# KiCad board V1.1_version_control_final.kicad_pcb (continued)
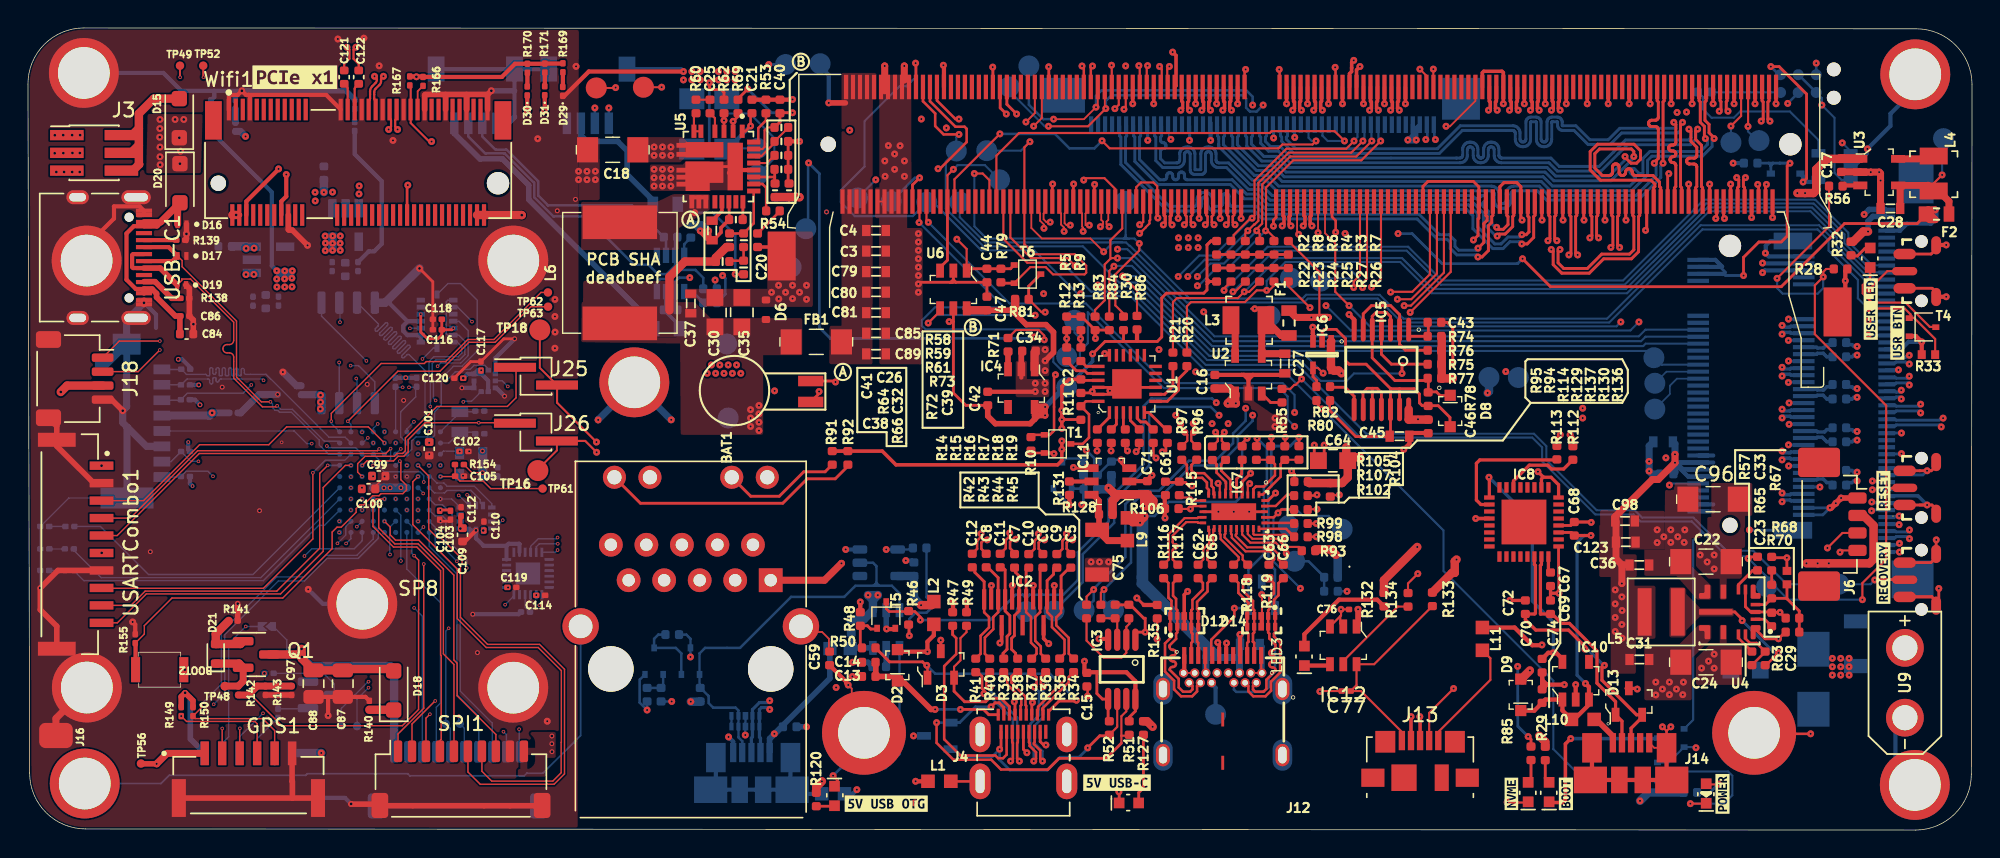
[diagram p0: board, top side]
## Routing (per net, layer and track width the routed paths; a pad name or vN(x,y) marks a point on that pad's centre or on a via; arc(x,y) is an arc through that point) (continued)
PCIE0_RX0_P: length 66
  Top w0.25: v1(91.93,51.52) 92.06,51.65 92.06,52.11 92,52.17 M1.133
  In5_3V3_SYS_SIGNAL.Cu w0.195: v1(125.43,33.12) 125.58,32.97 126.73,32.97 126.98,33.21 126.98,33.84 126.69,34.12 124.7,34.12 124.3,34.53 124.3,35.17 123.32,36.15 123.29,36.18 123.25,36.2 123.2,36.21 123.16,36.21 123.12,36.2 123.08,36.18 123.04,36.15 123.01,36.12 122.98,36.09 122.94,36.07 122.9,36.06 122.85,36.06 122.81,36.07 122.77,36.09 122.74,36.12 122.71,36.15 122.69,36.19 122.68,36.24 122.68,36.28 122.69,36.32 122.71,36.36 122.74,36.4 122.77,36.43 122.8,36.46 122.82,36.5 122.83,36.54 122.83,36.59 122.82,36.63 122.8,36.67 122.77,36.7 119.72,39.75 119.72,43.47 116.47,46.72 110.36,46.72 108.57,48.51 107.22,48.51 107.18,48.51 107.14,48.49 107.1,48.47 107.07,48.44 107.05,48.4 107.03,48.36 107.03,48.32 107.03,47.89 107.02,47.78 106.98,47.68 106.92,47.59 106.85,47.51 106.75,47.45 106.65,47.41 106.54,47.4 106.48,47.4 106.37,47.41 106.27,47.45 106.18,47.51 106.1,47.59 106.04,47.68 106.01,47.78 105.99,47.89 105.99,49.58 105.99,49.62 105.98,49.66 105.95,49.7 105.92,49.73 105.88,49.75 105.84,49.77 105.8,49.77 105.76,49.77 105.71,49.75 105.68,49.73 105.65,49.7 105.62,49.66 105.61,49.62 105.6,49.58 105.6,47.89 105.59,47.78 105.56,47.68 105.5,47.59 105.42,47.51 105.33,47.45 105.23,47.41 105.12,47.4 105.06,47.4 104.95,47.41 104.85,47.45 104.75,47.51 104.68,47.59 104.62,47.68 104.58,47.78 104.57,47.89 104.57,49.58 104.56,49.62 104.55,49.66 104.53,49.7 104.5,49.73 104.46,49.75 104.42,49.77 104.37,49.77 104.33,49.77 104.29,49.75 104.25,49.73 104.22,49.7 104.2,49.66 104.18,49.62 104.18,49.58 104.18,47.89 104.17,47.78 104.13,47.68 104.07,47.59 104,47.51 103.9,47.45 103.8,47.41 103.69,47.4 103.63,47.4 103.52,47.41 103.42,47.45 103.33,47.51 103.25,47.59 103.19,47.68 103.16,47.78 103.14,47.89 103.14,49.58 103.14,49.62 103.13,49.66 103.1,49.7 103.07,49.73 103.03,49.75 102.99,49.77 102.95,49.77 102.91,49.77 102.87,49.75 102.83,49.73 102.8,49.7 102.77,49.66 102.76,49.62 102.75,49.58 102.75,47.89 102.74,47.78 102.71,47.68 102.65,47.59 102.57,47.51 102.48,47.45 102.38,47.41 102.27,47.4 102.21,47.4 102.1,47.41 102,47.45 101.9,47.51 101.83,47.59 101.77,47.68 101.73,47.78 101.72,47.89 101.72,48.32 101.72,48.36 101.7,48.4 101.68,48.44 101.65,48.47 101.61,48.49 101.57,48.51 101.53,48.51 93.66,48.51 92.09,50.09 92.09,51.37 v1(91.93,51.52)
  Bottom w0.25: v1(125.43,33.12) 125.55,33 126,33 126.06,33.06 J7.43
PCIE0_RX1_N: length 66
  Top w0.25: M1.137 91,52.17 90.93,52.11 90.93,51.65 v1(91.06,51.52)
  In5_3V3_SYS_SIGNAL.Cu w0.195: v1(91.06,51.52) 90.91,51.37 90.91,50.7 91.56,50.04 91.56,48.67 93.16,47.07 93.88,47.07 93.99,47.06 94.09,47.02 94.18,46.96 94.26,46.89 94.32,46.8 94.35,46.69 94.37,46.58 94.37,46.39 94.37,46.35 94.39,46.31 94.41,46.27 94.44,46.24 94.48,46.22 94.52,46.2 94.56,46.2 94.6,46.2 94.65,46.22 94.68,46.24 94.71,46.27 94.74,46.31 94.75,46.35 94.76,46.39 94.76,46.91 94.76,47.61 94.77,47.72 94.8,47.82 94.86,47.91 94.94,47.99 95.03,48.05 95.14,48.08 95.24,48.09 95.3,48.09 95.41,48.08 95.52,48.05 95.61,47.99 95.68,47.91 95.74,47.82 95.78,47.72 95.79,47.61 95.79,46.39 95.8,46.35 95.81,46.31 95.83,46.27 95.86,46.24 95.9,46.22 95.94,46.2 95.99,46.2 96.03,46.2 96.07,46.22 96.11,46.24 96.14,46.27 96.16,46.31 96.18,46.35 96.18,46.39 96.18,47.61 96.19,47.72 96.23,47.82 96.29,47.91 96.36,47.99 96.46,48.05 96.56,48.08 96.67,48.09 96.73,48.09 96.84,48.08 96.94,48.05 97.03,47.99 97.11,47.91 97.17,47.82 97.2,47.72 97.22,47.61 97.22,46.39 97.22,46.35 97.24,46.31 97.26,46.27 97.29,46.24 97.33,46.22 97.37,46.2 97.41,46.2 97.45,46.2 97.5,46.22 97.53,46.24 97.56,46.27 97.59,46.31 97.6,46.35 97.61,46.39 97.61,47.61 97.62,47.72 97.65,47.82 97.71,47.91 97.79,47.99 97.88,48.05 97.98,48.08 98.09,48.09 98.15,48.09 98.26,48.08 98.36,48.05 98.46,47.99 98.53,47.91 98.59,47.82 98.63,47.72 98.64,47.61 98.64,47.27 98.65,47.22 98.66,47.18 98.68,47.14 98.71,47.11 98.75,47.09 98.79,47.08 98.84,47.07 108.29,47.07 109.06,46.3 116.1,46.3 118.97,43.42 118.97,39.32 123.19,35.1 123.19,31.98 123.77,31.4 126.73,31.4 127.24,30.89 127.24,30.08 126.8,29.65 125.58,29.65 v1(125.43,29.5)
  Bottom w0.25: v1(125.43,29.5) 125.55,29.62 126,29.62 126.06,29.56 J7.29
PCIE0_RX1_P: length 66
  Top w0.25: v1(90.43,51.52) 90.56,51.65 90.56,52.11 90.5,52.17 90.5,53.18
  In5_3V3_SYS_SIGNAL.Cu w0.195: v1(90.43,51.52) 90.59,51.37 90.59,50.56 91.24,49.9 91.24,48.54 93.03,46.75 93.85,46.75 93.89,46.74 93.93,46.73 93.97,46.71 94,46.68 94.02,46.64 94.04,46.6 94.04,46.55 94.04,46.36 94.06,46.25 94.09,46.15 94.15,46.06 94.23,45.98 94.32,45.92 94.42,45.89 94.53,45.88 94.59,45.88 94.7,45.89 94.8,45.92 94.89,45.98 94.97,46.06 95.03,46.15 95.07,46.25 95.08,46.36 95.08,46.91 95.08,47.58 95.08,47.62 95.1,47.66 95.12,47.7 95.15,47.73 95.19,47.75 95.23,47.77 95.27,47.77 95.32,47.77 95.36,47.75 95.4,47.73 95.43,47.7 95.45,47.66 95.46,47.62 95.47,47.58 95.47,46.36 95.48,46.25 95.52,46.15 95.57,46.06 95.65,45.98 95.74,45.92 95.85,45.89 95.96,45.88 96.02,45.88 96.12,45.89 96.23,45.92 96.32,45.98 96.4,46.06 96.46,46.15 96.49,46.25 96.5,46.36 96.5,47.58 96.51,47.62 96.52,47.66 96.55,47.7 96.58,47.73 96.61,47.75 96.66,47.77 96.7,47.77 96.74,47.77 96.78,47.75 96.82,47.73 96.85,47.7 96.87,47.66 96.89,47.62 96.89,47.58 96.89,46.36 96.91,46.25 96.94,46.15 97,46.06 97.08,45.98 97.17,45.92 97.27,45.89 97.38,45.88 97.44,45.88 97.55,45.89 97.65,45.92 97.74,45.98 97.82,46.06 97.88,46.15 97.92,46.25 97.93,46.36 97.93,47.58 97.93,47.62 97.95,47.66 97.97,47.7 98,47.73 98.04,47.75 98.08,47.77 98.12,47.77 98.17,47.77 98.21,47.75 98.24,47.73 98.28,47.7 98.3,47.66 98.31,47.62 98.32,47.58 98.32,47.24 98.33,47.13 98.37,47.02 98.42,46.93 98.5,46.86 98.59,46.8 98.7,46.76 98.81,46.75 108.16,46.75 108.93,45.98 115.97,45.98 118.65,43.29 118.65,39.19 122.87,34.97 122.87,31.84 123.63,31.08 124.22,31.08 124.27,31.08 124.32,31.06 124.36,31.03 124.4,31 124.42,30.95 124.44,30.91 124.45,30.86 124.45,30.84 124.45,30.79 124.47,30.74 124.5,30.7 124.53,30.66 124.57,30.63 124.62,30.62 124.67,30.61 124.72,30.62 124.77,30.63 124.81,30.66 124.85,30.7 124.87,30.74 124.89,30.79 124.9,30.84 124.9,30.86 124.9,30.91 124.92,30.95 124.95,31 124.98,31.03 125.02,31.06 125.07,31.08 125.12,31.08 126.6,31.08 126.92,30.76 126.92,30.25 126.63,29.97 125.58,29.97 v1(125.43,30.12)
  Bottom w0.25: v1(125.43,30.12) 125.55,30 126,30 126.06,30.06 J7.31
PCIE0_RX2_N: length 66
  Top w0.25: M1.149 86,52.17 85.93,52.11 85.93,51.65 v1(86.06,51.52)
  In5_3V3_SYS_SIGNAL.Cu w0.185: 121.77,31.09 124.4,28.46 ; 91.6,45.45 99.13,45.45 99.17,45.46 99.21,45.47 99.25,45.49 99.28,45.52 99.3,45.56 99.31,45.6 99.32,45.64 99.32,45.85 99.33,45.96 99.37,46.06 99.42,46.15 99.5,46.23 99.59,46.29 99.69,46.32 99.8,46.33 99.86,46.33 99.97,46.32 100.07,46.29 100.16,46.23 100.23,46.15 100.29,46.06 100.33,45.96 100.34,45.85 100.34,45.64 100.34,45.6 100.36,45.56 100.38,45.52 100.41,45.49 100.45,45.47 100.49,45.46 100.53,45.45 100.57,45.46 100.61,45.47 100.65,45.49 100.68,45.52 100.7,45.56 100.71,45.6 100.72,45.64 100.72,45.85 100.73,45.96 100.77,46.06 100.82,46.15 100.9,46.23 100.99,46.29 101.09,46.32 101.2,46.33 101.26,46.33 101.37,46.32 101.47,46.29 101.56,46.23 101.63,46.15 101.69,46.06 101.73,45.96 101.74,45.85 101.74,45.64 101.74,45.6 101.76,45.56 101.78,45.52 101.81,45.49 101.85,45.47 101.89,45.46 101.93,45.45 101.97,45.46 102.01,45.47 102.05,45.49 102.08,45.52 102.1,45.56 102.11,45.6 102.12,45.64 102.12,45.85 102.13,45.96 102.17,46.06 102.22,46.15 102.3,46.23 102.39,46.29 102.49,46.32 102.6,46.33 102.66,46.33 102.77,46.32 102.87,46.29 102.96,46.23 103.03,46.15 103.09,46.06 103.13,45.96 103.14,45.85 103.14,45.64 103.14,45.6 103.16,45.56 103.18,45.52 103.21,45.49 103.25,45.47 103.29,45.46 103.33,45.45 115.73,45.45
  In5_3V3_SYS_SIGNAL.Cu w0.195: v1(125.43,26.5) 125.58,26.65 126.76,26.65 127.12,27.01 127.12,28.13 126.79,28.46 124.4,28.46 ; 91.6,45.45 85.91,51.14 85.91,51.37 v1(86.06,51.52) ; 115.73,45.45 117.87,43.3 117.87,38.94 121.77,35.05 121.77,31.09
  Bottom w0.25: v1(125.43,26.5) 125.55,26.62 126,26.62 126.06,26.56 J7.17
PCIE0_RX2_P: length 66
  Top w0.25: v1(85.43,51.52) 85.56,51.65 85.56,52.11 85.5,52.17 M1.151
  In5_3V3_SYS_SIGNAL.Cu w0.185: 121.45,30.96 122.38,30.03 122.4,30 122.42,29.96 122.43,29.92 122.43,29.88 122.42,29.84 122.4,29.8 122.38,29.77 122.34,29.72 122.31,29.69 122.29,29.65 122.28,29.61 122.28,29.57 122.29,29.53 122.31,29.49 122.34,29.46 122.37,29.44 122.4,29.42 122.45,29.41 122.49,29.41 122.53,29.42 122.56,29.44 122.6,29.46 122.64,29.51 122.67,29.53 122.71,29.55 122.75,29.56 122.79,29.56 122.83,29.55 122.87,29.53 122.9,29.51 124.27,28.14 ; 115.59,45.13 103.3,45.13 103.19,45.14 103.09,45.18 103,45.24 102.92,45.31 102.87,45.4 102.83,45.5 102.82,45.61 102.82,45.82 102.81,45.87 102.8,45.91 102.78,45.94 102.75,45.97 102.71,45.99 102.67,46.01 102.63,46.01 102.59,46.01 102.55,45.99 102.51,45.97 102.48,45.94 102.46,45.91 102.44,45.87 102.44,45.82 102.44,45.61 102.43,45.5 102.39,45.4 102.33,45.31 102.26,45.24 102.17,45.18 102.07,45.14 101.96,45.13 101.9,45.13 101.79,45.14 101.69,45.18 101.6,45.24 101.52,45.31 101.47,45.4 101.43,45.5 101.42,45.61 101.42,45.82 101.41,45.87 101.4,45.91 101.38,45.94 101.35,45.97 101.31,45.99 101.27,46.01 101.23,46.01 101.19,46.01 101.15,45.99 101.11,45.97 101.08,45.94 101.06,45.91 101.04,45.87 101.04,45.82 101.04,45.61 101.03,45.5 100.99,45.4 100.93,45.31 100.86,45.24 100.77,45.18 100.67,45.14 100.56,45.13 100.5,45.13 100.39,45.14 100.29,45.18 100.2,45.24 100.12,45.31 100.07,45.4 100.03,45.5 100.02,45.61 100.02,45.82 100.01,45.87 100,45.91 99.98,45.94 99.95,45.97 99.91,45.99 99.87,46.01 99.83,46.01 99.79,46.01 99.75,45.99 99.71,45.97 99.68,45.94 99.66,45.91 99.64,45.87 99.64,45.82 99.64,45.61 99.63,45.5 99.59,45.4 99.53,45.31 99.46,45.24 99.37,45.18 99.27,45.14 99.16,45.13 91.47,45.13
  In5_3V3_SYS_SIGNAL.Cu w0.195: 115.59,45.13 117.55,43.17 117.55,38.81 121.45,34.91 121.45,30.96 ; 124.27,28.14 126.64,28.14 126.8,27.98 126.8,27.14 126.63,26.97 125.58,26.97 v1(125.43,27.12) ; 91.47,45.13 85.59,51.01 85.59,51.37 v1(85.43,51.52)
  Bottom w0.25: v1(125.43,27.12) 125.55,27 126,27 126.06,27.06 J7.19
PCIE0_RX3_N: length 66.1
  Top w0.25: M1.155 84.5,52.17 84.43,52.11 84.43,51.65 v1(84.56,51.52)
  In5_3V3_SYS_SIGNAL.Cu w0.195: v1(125.43,23.5) 125.58,23.65 126.13,23.65 126.59,24.11 126.59,24.87 126.21,25.25 124.79,25.25 120.28,29.76 120.28,34.87 116.52,38.63 116.52,43.51 115.56,44.47 114.56,44.47 95.3,44.47 95.2,44.46 95.11,44.43 95.02,44.37 94.95,44.3 94.89,44.22 94.86,44.12 94.85,44.02 94.85,43.83 94.85,43.79 94.83,43.76 94.81,43.73 94.79,43.7 94.76,43.68 94.72,43.67 94.69,43.67 94.62,43.67 94.59,43.67 94.55,43.68 94.52,43.7 94.49,43.73 94.48,43.76 94.46,43.79 94.46,43.83 94.46,44.02 94.45,44.12 94.41,44.22 94.36,44.3 94.29,44.37 94.2,44.43 94.11,44.46 94,44.47 90.96,44.47 84.41,51.03 84.41,51.37 v1(84.56,51.52)
  Bottom w0.25: v1(125.43,23.5) 125.55,23.62 126,23.62 126.06,23.56 J7.5
PCIE0_RX3_P: length 66.1
  Top w0.25: v1(83.93,51.52) 84.06,51.65 84.06,52.11 84,52.17 M1.157
  In5_3V3_SYS_SIGNAL.Cu w0.195: v1(83.93,51.52) 84.09,51.37 84.09,50.9 90.83,44.15 93.98,44.15 94.01,44.15 94.05,44.14 94.08,44.12 94.1,44.09 94.12,44.06 94.14,44.03 94.14,43.99 94.14,43.8 94.15,43.7 94.18,43.61 94.24,43.52 94.31,43.45 94.4,43.39 94.49,43.36 94.59,43.35 94.71,43.35 94.82,43.36 94.91,43.39 95,43.45 95.07,43.52 95.12,43.61 95.16,43.7 95.17,43.8 95.17,43.99 95.17,44.03 95.19,44.06 95.2,44.09 95.23,44.12 95.26,44.14 95.3,44.15 95.33,44.15 115.43,44.15 116.2,43.38 116.2,38.49 119.96,34.73 119.96,29.63 122.17,27.42 122.2,27.39 122.22,27.35 122.23,27.31 122.23,27.26 122.22,27.22 122.2,27.18 122.17,27.15 122.14,27.12 122.11,27.08 122.09,27.04 122.09,27 122.09,26.96 122.09,26.91 122.11,26.87 122.14,26.84 122.18,26.81 122.21,26.79 122.26,26.78 122.3,26.78 122.34,26.79 122.38,26.81 122.42,26.84 122.45,26.87 122.48,26.9 122.52,26.92 122.56,26.93 122.61,26.93 122.65,26.92 122.69,26.9 122.72,26.87 124.66,24.93 126.08,24.93 126.27,24.74 126.27,24.24 126,23.97 125.58,23.97 v1(125.43,24.12)
  Bottom w0.25: v1(125.43,24.12) 125.55,24 126,24 126.06,24.06 J7.7
PCIE0_TX0_N: length 65.6
  Top w0.25: M1.134 91.75,43.97 91.68,43.9 91.68,43.37 v1(91.81,43.24)
  In3_SIGNAL.Cu w0.185: v1(130.79,33.99) 130.83,33.99 131.26,34.43 131.26,34.83 130.48,35.61 127.5,35.61 126.44,34.55 122.58,34.55 119.24,37.88 117.88,37.88 117.85,37.89 117.83,37.89 117.8,37.91 117.79,37.93 117.77,37.95 117.76,37.98 117.76,38 117.76,38.18 117.75,38.27 117.72,38.36 117.67,38.44 117.61,38.5 117.53,38.55 117.44,38.58 117.35,38.59 117.17,38.59 117.08,38.58 117,38.55 116.92,38.5 116.86,38.44 116.81,38.36 116.78,38.27 116.77,38.18 116.77,37.3 116.77,37.27 116.76,37.25 116.74,37.22 116.72,37.2 116.7,37.19 116.68,37.18 116.65,37.18 116.52,37.18 116.49,37.18 116.47,37.19 116.44,37.2 116.43,37.22 116.41,37.25 116.4,37.27 116.4,37.3 116.4,38.18 116.39,38.27 116.36,38.36 116.31,38.44 116.25,38.5 116.17,38.55 116.08,38.58 115.99,38.59 115.81,38.59 115.72,38.58 115.64,38.55 115.56,38.5 115.5,38.44 115.45,38.36 115.42,38.27 115.41,38.18 115.41,37.3 115.41,37.27 115.4,37.25 115.38,37.22 115.36,37.2 115.34,37.19 115.32,37.18 115.29,37.18 115.16,37.18 115.13,37.18 115.11,37.19 115.08,37.2 115.07,37.22 115.05,37.25 115.04,37.27 115.04,37.3 115.04,38.18 115.03,38.27 115,38.36 114.95,38.44 114.89,38.5 114.81,38.55 114.72,38.58 114.63,38.59 114.45,38.59 114.36,38.58 114.28,38.55 114.2,38.5 114.14,38.44 114.09,38.36 114.06,38.27 114.05,38.18 114.05,37.3 114.05,37.27 114.04,37.25 114.02,37.22 114,37.2 113.98,37.19 113.96,37.18 113.93,37.18 113.8,37.18 113.77,37.18 113.75,37.19 113.72,37.2 113.71,37.22 113.69,37.25 113.68,37.27 113.68,37.3 113.68,38.18 113.67,38.27 113.64,38.36 113.59,38.44 113.53,38.5 113.45,38.55 113.36,38.58 113.27,38.59 113.09,38.59 113,38.58 112.92,38.55 112.84,38.5 112.78,38.44 112.73,38.36 112.7,38.27 112.69,38.18 112.69,37.3 112.69,37.27 112.68,37.25 112.66,37.22 112.64,37.2 112.62,37.19 112.6,37.18 112.57,37.18 112.44,37.18 112.41,37.18 112.39,37.19 112.36,37.2 112.35,37.22 112.33,37.25 112.32,37.27 112.32,37.3 112.32,38.18 112.31,38.27 112.28,38.36 112.23,38.44 112.17,38.5 112.09,38.55 112,38.58 111.91,38.59 111.73,38.59 111.64,38.58 111.56,38.55 111.48,38.5 111.42,38.44 111.37,38.36 111.34,38.27 111.33,38.18 111.33,37.3 111.33,37.27 111.32,37.25 111.3,37.22 111.28,37.2 111.26,37.19 111.24,37.18 111.21,37.18 111.08,37.18 111.05,37.18 111.03,37.19 111,37.2 110.99,37.22 110.97,37.25 110.96,37.27 110.96,37.3 110.96,38.18 110.95,38.27 110.92,38.36 110.87,38.44 110.81,38.5 110.73,38.55 110.64,38.58 110.55,38.59 110.37,38.59 110.28,38.58 110.2,38.55 110.12,38.5 110.06,38.44 110.01,38.36 109.98,38.27 109.97,38.18 109.97,37.3 109.97,37.27 109.96,37.25 109.94,37.22 109.92,37.2 109.9,37.19 109.88,37.18 109.85,37.18 109.72,37.18 109.69,37.18 109.67,37.19 109.64,37.2 109.63,37.22 109.61,37.25 109.6,37.27 109.6,37.3 109.6,38.18 109.59,38.27 109.56,38.36 109.51,38.44 109.45,38.5 109.37,38.55 109.28,38.58 109.19,38.59 109.01,38.59 108.92,38.58 108.84,38.55 108.76,38.5 108.7,38.44 108.65,38.36 108.62,38.27 108.61,38.18 108.61,37.3 108.61,37.27 108.6,37.25 108.58,37.22 108.56,37.2 108.54,37.19 108.52,37.18 108.49,37.18 108.36,37.18 108.33,37.18 108.31,37.19 108.28,37.2 108.27,37.22 108.25,37.25 108.24,37.27 108.24,37.3 108.24,38.18 108.23,38.27 108.2,38.36 108.15,38.44 108.09,38.5 108.01,38.55 107.92,38.58 107.83,38.59 107.65,38.59 107.56,38.58 107.48,38.55 107.4,38.5 107.34,38.44 107.29,38.36 107.26,38.27 107.25,38.18 107.25,38 107.25,37.98 107.24,37.95 107.22,37.93 107.2,37.91 107.18,37.89 107.16,37.89 107.13,37.88 103.19,37.88 98.89,42.18 92.16,42.18 91.65,42.69 91.65,43.09 v1(91.81,43.24)
  Bottom w0.25: 130.01,33.87 130.43,33.87 130.55,33.99 v1(130.79,33.99)
PCIE0_TX0_P: length 65.6
  Top w0.25: v1(91.18,43.24) 91.31,43.37 91.31,43.9 91.25,43.97 M1.136
  In3_SIGNAL.Cu w0.185: v1(130.79,34.62) 130.79,34.86 130.35,35.3 129.88,35.3 129.84,35.3 129.8,35.28 129.77,35.26 129.74,35.23 129.72,35.2 129.7,35.16 129.7,35.12 129.7,34.87 129.69,34.83 129.68,34.79 129.66,34.76 129.63,34.73 129.59,34.7 129.55,34.69 129.51,34.69 129.47,34.69 129.43,34.7 129.4,34.73 129.37,34.76 129.35,34.79 129.33,34.83 129.33,34.87 129.33,35.12 129.32,35.16 129.31,35.2 129.29,35.23 129.26,35.26 129.22,35.28 129.18,35.3 129.14,35.3 127.64,35.3 126.57,34.24 122.39,34.24 119.06,37.57 117.85,37.57 117.76,37.58 117.68,37.61 117.6,37.66 117.54,37.73 117.49,37.8 117.46,37.89 117.45,37.98 117.45,38.16 117.45,38.18 117.44,38.21 117.42,38.23 117.4,38.25 117.38,38.27 117.36,38.28 117.33,38.28 117.2,38.28 117.17,38.28 117.15,38.27 117.12,38.25 117.11,38.23 117.09,38.21 117.08,38.18 117.08,38.16 117.08,37.27 117.07,37.18 117.04,37.1 116.99,37.02 116.93,36.96 116.85,36.91 116.76,36.88 116.67,36.87 116.49,36.87 116.4,36.88 116.32,36.91 116.24,36.96 116.18,37.02 116.13,37.1 116.1,37.18 116.09,37.27 116.09,38.16 116.09,38.18 116.08,38.21 116.06,38.23 116.04,38.25 116.02,38.27 116,38.28 115.97,38.28 115.84,38.28 115.81,38.28 115.79,38.27 115.76,38.25 115.75,38.23 115.73,38.21 115.72,38.18 115.72,38.16 115.72,37.27 115.71,37.18 115.68,37.1 115.63,37.02 115.57,36.96 115.49,36.91 115.4,36.88 115.31,36.87 115.13,36.87 115.04,36.88 114.96,36.91 114.88,36.96 114.82,37.02 114.77,37.1 114.74,37.18 114.73,37.27 114.73,38.16 114.73,38.18 114.72,38.21 114.7,38.23 114.68,38.25 114.66,38.27 114.64,38.28 114.61,38.28 114.48,38.28 114.45,38.28 114.43,38.27 114.4,38.25 114.39,38.23 114.37,38.21 114.36,38.18 114.36,38.16 114.36,37.27 114.35,37.18 114.32,37.1 114.27,37.02 114.21,36.96 114.13,36.91 114.04,36.88 113.95,36.87 113.77,36.87 113.68,36.88 113.6,36.91 113.52,36.96 113.46,37.02 113.41,37.1 113.38,37.18 113.37,37.27 113.37,38.16 113.37,38.18 113.36,38.21 113.34,38.23 113.32,38.25 113.3,38.27 113.28,38.28 113.25,38.28 113.12,38.28 113.09,38.28 113.07,38.27 113.04,38.25 113.03,38.23 113.01,38.21 113,38.18 113,38.16 113,37.27 112.99,37.18 112.96,37.1 112.91,37.02 112.85,36.96 112.77,36.91 112.68,36.88 112.59,36.87 112.41,36.87 112.32,36.88 112.24,36.91 112.16,36.96 112.1,37.02 112.05,37.1 112.02,37.18 112.01,37.27 112.01,38.16 112.01,38.18 112,38.21 111.98,38.23 111.96,38.25 111.94,38.27 111.92,38.28 111.89,38.28 111.76,38.28 111.73,38.28 111.71,38.27 111.68,38.25 111.67,38.23 111.65,38.21 111.64,38.18 111.64,38.16 111.64,37.27 111.63,37.18 111.6,37.1 111.55,37.02 111.49,36.96 111.41,36.91 111.32,36.88 111.23,36.87 111.05,36.87 110.96,36.88 110.88,36.91 110.8,36.96 110.74,37.02 110.69,37.1 110.66,37.18 110.65,37.27 110.65,38.16 110.65,38.18 110.64,38.21 110.62,38.23 110.6,38.25 110.58,38.27 110.56,38.28 110.53,38.28 110.4,38.28 110.37,38.28 110.35,38.27 110.32,38.25 110.31,38.23 110.29,38.21 110.28,38.18 110.28,38.16 110.28,37.27 110.27,37.18 110.24,37.1 110.19,37.02 110.13,36.96 110.05,36.91 109.96,36.88 109.87,36.87 109.69,36.87 109.6,36.88 109.52,36.91 109.44,36.96 109.38,37.02 109.33,37.1 109.3,37.18 109.29,37.27 109.29,38.16 109.29,38.18 109.28,38.21 109.26,38.23 109.24,38.25 109.22,38.27 109.2,38.28 109.17,38.28 109.04,38.28 109.01,38.28 108.99,38.27 108.96,38.25 108.95,38.23 108.93,38.21 108.92,38.18 108.92,38.16 108.92,37.27 108.91,37.18 108.88,37.1 108.83,37.02 108.77,36.96 108.69,36.91 108.6,36.88 108.51,36.87 108.33,36.87 108.24,36.88 108.16,36.91 108.08,36.96 108.02,37.02 107.97,37.1 107.94,37.18 107.93,37.27 107.93,38.16 107.93,38.18 107.92,38.21 107.9,38.23 107.88,38.25 107.86,38.27 107.84,38.28 107.81,38.28 107.68,38.28 107.65,38.28 107.63,38.27 107.6,38.25 107.59,38.23 107.57,38.21 107.56,38.18 107.56,38.16 107.56,37.98 107.55,37.89 107.52,37.8 107.47,37.73 107.41,37.66 107.33,37.61 107.24,37.58 107.15,37.57 103.06,37.57 98.76,41.87 92.03,41.87 91.34,42.56 91.34,43.09 v1(91.18,43.24)
  Bottom w0.25: v1(130.79,34.62) 130.55,34.62 130.43,34.74 130.01,34.74
PCIE0_TX1_N: length 66.2
  Top w0.25: M1.140 90.25,43.97 90.18,43.9 90.18,43.37 v1(90.31,43.24)
  In3_SIGNAL.Cu w0.185: v1(90.31,43.24) 90.15,43.09 90.15,42.67 91.47,41.34 98.44,41.34 104.59,35.2 109.07,35.2 109.16,35.18 109.25,35.15 109.32,35.1 109.39,35.04 109.44,34.96 109.47,34.87 109.48,34.78 109.48,34.6 109.48,34.57 109.49,34.54 109.51,34.52 109.53,34.5 109.55,34.48 109.58,34.47 109.61,34.47 109.72,34.47 109.75,34.47 109.78,34.48 109.8,34.5 109.82,34.52 109.84,34.54 109.85,34.57 109.85,34.6 109.85,35.51 109.86,35.6 109.89,35.68 109.94,35.76 110.01,35.83 110.08,35.88 110.17,35.91 110.26,35.92 110.43,35.92 110.52,35.91 110.61,35.88 110.68,35.83 110.75,35.76 110.8,35.68 110.83,35.6 110.84,35.51 110.84,34.6 110.84,34.57 110.85,34.54 110.87,34.52 110.89,34.5 110.91,34.48 110.94,34.47 110.97,34.47 111.08,34.47 111.11,34.47 111.14,34.48 111.16,34.5 111.18,34.52 111.2,34.54 111.21,34.57 111.21,34.6 111.21,35.51 111.22,35.6 111.25,35.68 111.3,35.76 111.37,35.83 111.44,35.88 111.53,35.91 111.62,35.92 111.79,35.92 111.88,35.91 111.97,35.88 112.04,35.83 112.11,35.76 112.16,35.68 112.19,35.6 112.2,35.51 112.2,34.6 112.2,34.57 112.21,34.54 112.23,34.52 112.25,34.5 112.27,34.48 112.3,34.47 112.33,34.47 112.44,34.47 112.47,34.47 112.5,34.48 112.52,34.5 112.54,34.52 112.56,34.54 112.57,34.57 112.57,34.6 112.57,35.51 112.58,35.6 112.61,35.68 112.66,35.76 112.73,35.83 112.8,35.88 112.89,35.91 112.98,35.92 113.15,35.92 113.24,35.91 113.33,35.88 113.4,35.83 113.47,35.76 113.52,35.68 113.55,35.6 113.56,35.51 113.56,34.6 113.56,34.57 113.57,34.54 113.59,34.52 113.61,34.5 113.63,34.48 113.66,34.47 113.69,34.47 113.8,34.47 113.83,34.47 113.86,34.48 113.88,34.5 113.9,34.52 113.92,34.54 113.93,34.57 113.93,34.6 113.93,35.51 113.94,35.6 113.97,35.68 114.02,35.76 114.09,35.83 114.16,35.88 114.25,35.91 114.34,35.92 114.51,35.92 114.6,35.91 114.69,35.88 114.76,35.83 114.83,35.76 114.88,35.68 114.91,35.6 114.92,35.51 114.92,34.6 114.92,34.57 114.93,34.54 114.95,34.52 114.97,34.5 114.99,34.48 115.02,34.47 115.05,34.47 115.16,34.47 115.19,34.47 115.22,34.48 115.24,34.5 115.26,34.52 115.28,34.54 115.29,34.57 115.29,34.6 115.29,35.51 115.3,35.6 115.33,35.68 115.38,35.76 115.45,35.83 115.52,35.88 115.61,35.91 115.7,35.92 115.87,35.92 115.96,35.91 116.05,35.88 116.12,35.83 116.19,35.76 116.24,35.68 116.27,35.6 116.28,35.51 116.28,34.6 116.28,34.57 116.29,34.54 116.31,34.52 116.33,34.5 116.35,34.48 116.38,34.47 116.41,34.47 116.52,34.47 116.55,34.47 116.58,34.48 116.6,34.5 116.62,34.52 116.64,34.54 116.65,34.57 116.65,34.6 116.67,35.51 116.68,35.6 116.71,35.68 116.76,35.76 116.82,35.83 116.9,35.88 116.99,35.91 117.08,35.92 117.24,35.92 117.33,35.91 117.42,35.88 117.5,35.83 117.57,35.76 117.61,35.68 117.65,35.6 117.66,35.51 117.66,35.32 117.66,35.3 117.67,35.27 117.68,35.24 117.7,35.22 117.73,35.21 117.76,35.2 117.79,35.2 119.63,35.2 123.38,31.45 126.49,31.45 127.64,32.61 131.14,32.61 131.67,32.08 131.67,31.48 131.33,31.13 130.95,31.13 v1(130.79,30.97)
  Bottom w0.25: 130.01,30.85 130.43,30.85 130.55,30.97 v1(130.79,30.97)
PCIE0_TX1_P: length 66.2
  Top w0.25: v1(89.68,43.24) 89.81,43.37 89.81,43.9 89.75,43.97 M1.142
  In3_SIGNAL.Cu w0.185: v1(89.68,43.24) 89.84,43.09 89.84,42.54 91.34,41.03 98.31,41.03 104.46,34.89 109.04,34.89 109.07,34.88 109.1,34.87 109.12,34.86 109.14,34.84 109.16,34.81 109.17,34.78 109.17,34.76 109.17,34.58 109.18,34.48 109.21,34.4 109.26,34.32 109.33,34.25 109.4,34.2 109.49,34.17 109.58,34.16 109.75,34.16 109.84,34.17 109.93,34.2 110,34.25 110.07,34.32 110.12,34.4 110.15,34.48 110.16,34.58 110.16,35.48 110.16,35.51 110.17,35.54 110.19,35.56 110.21,35.58 110.23,35.6 110.26,35.61 110.29,35.61 110.4,35.61 110.43,35.61 110.46,35.6 110.48,35.58 110.5,35.56 110.52,35.54 110.53,35.51 110.53,35.48 110.53,34.58 110.54,34.48 110.57,34.4 110.62,34.32 110.69,34.25 110.76,34.2 110.85,34.17 110.94,34.16 111.11,34.16 111.2,34.17 111.29,34.2 111.36,34.25 111.43,34.32 111.48,34.4 111.51,34.48 111.52,34.58 111.52,35.48 111.52,35.51 111.53,35.54 111.55,35.56 111.57,35.58 111.59,35.6 111.62,35.61 111.65,35.61 111.76,35.61 111.79,35.61 111.82,35.6 111.84,35.58 111.86,35.56 111.88,35.54 111.89,35.51 111.89,35.48 111.89,34.58 111.9,34.48 111.93,34.4 111.98,34.32 112.05,34.25 112.12,34.2 112.21,34.17 112.3,34.16 112.47,34.16 112.56,34.17 112.65,34.2 112.72,34.25 112.79,34.32 112.84,34.4 112.87,34.48 112.88,34.58 112.88,35.48 112.88,35.51 112.89,35.54 112.91,35.56 112.93,35.58 112.95,35.6 112.98,35.61 113.01,35.61 113.12,35.61 113.15,35.61 113.18,35.6 113.2,35.58 113.22,35.56 113.24,35.54 113.25,35.51 113.25,35.48 113.25,34.58 113.26,34.48 113.29,34.4 113.34,34.32 113.41,34.25 113.48,34.2 113.57,34.17 113.66,34.16 113.83,34.16 113.92,34.17 114.01,34.2 114.08,34.25 114.15,34.32 114.2,34.4 114.23,34.48 114.24,34.58 114.24,35.48 114.24,35.51 114.25,35.54 114.27,35.56 114.29,35.58 114.31,35.6 114.34,35.61 114.37,35.61 114.48,35.61 114.51,35.61 114.54,35.6 114.56,35.58 114.58,35.56 114.6,35.54 114.61,35.51 114.61,35.48 114.61,34.58 114.62,34.48 114.65,34.4 114.7,34.32 114.77,34.25 114.84,34.2 114.93,34.17 115.02,34.16 115.19,34.16 115.28,34.17 115.37,34.2 115.44,34.25 115.51,34.32 115.56,34.4 115.59,34.48 115.6,34.58 115.6,35.48 115.6,35.51 115.61,35.54 115.63,35.56 115.65,35.58 115.67,35.6 115.7,35.61 115.73,35.61 115.84,35.61 115.87,35.61 115.9,35.6 115.92,35.58 115.94,35.56 115.96,35.54 115.97,35.51 115.97,35.48 115.97,34.58 115.98,34.48 116.01,34.4 116.06,34.32 116.13,34.25 116.2,34.2 116.29,34.17 116.38,34.16 116.55,34.16 116.64,34.17 116.73,34.2 116.8,34.25 116.87,34.32 116.92,34.4 116.95,34.48 116.96,34.58 116.98,35.48 116.98,35.51 116.99,35.54 117,35.56 117.02,35.58 117.05,35.6 117.08,35.61 117.11,35.61 117.22,35.61 117.25,35.61 117.27,35.6 117.3,35.58 117.32,35.56 117.33,35.54 117.34,35.51 117.35,35.48 117.35,35.3 117.36,35.21 117.39,35.12 117.44,35.04 117.5,34.98 117.58,34.93 117.67,34.9 117.76,34.89 119.51,34.89 123.25,31.14 126.64,31.14 127.8,32.3 129.38,32.3 129.42,32.29 129.46,32.28 129.49,32.26 129.52,32.23 129.55,32.19 129.56,32.16 129.56,32.11 129.56,32.07 129.57,32.03 129.58,31.99 129.6,31.95 129.63,31.92 129.67,31.9 129.71,31.89 129.75,31.88 129.79,31.89 129.83,31.9 129.86,31.92 129.89,31.95 129.92,31.99 129.93,32.03 129.93,32.07 129.93,32.11 129.94,32.16 129.95,32.19 129.97,32.23 130,32.26 130.04,32.28 130.08,32.29 130.12,32.3 131.01,32.3 131.36,31.95 131.36,31.61 131.2,31.44 130.95,31.44 v1(130.79,31.6)